# KiCad board px16_regfile.kicad_pcb (continued)
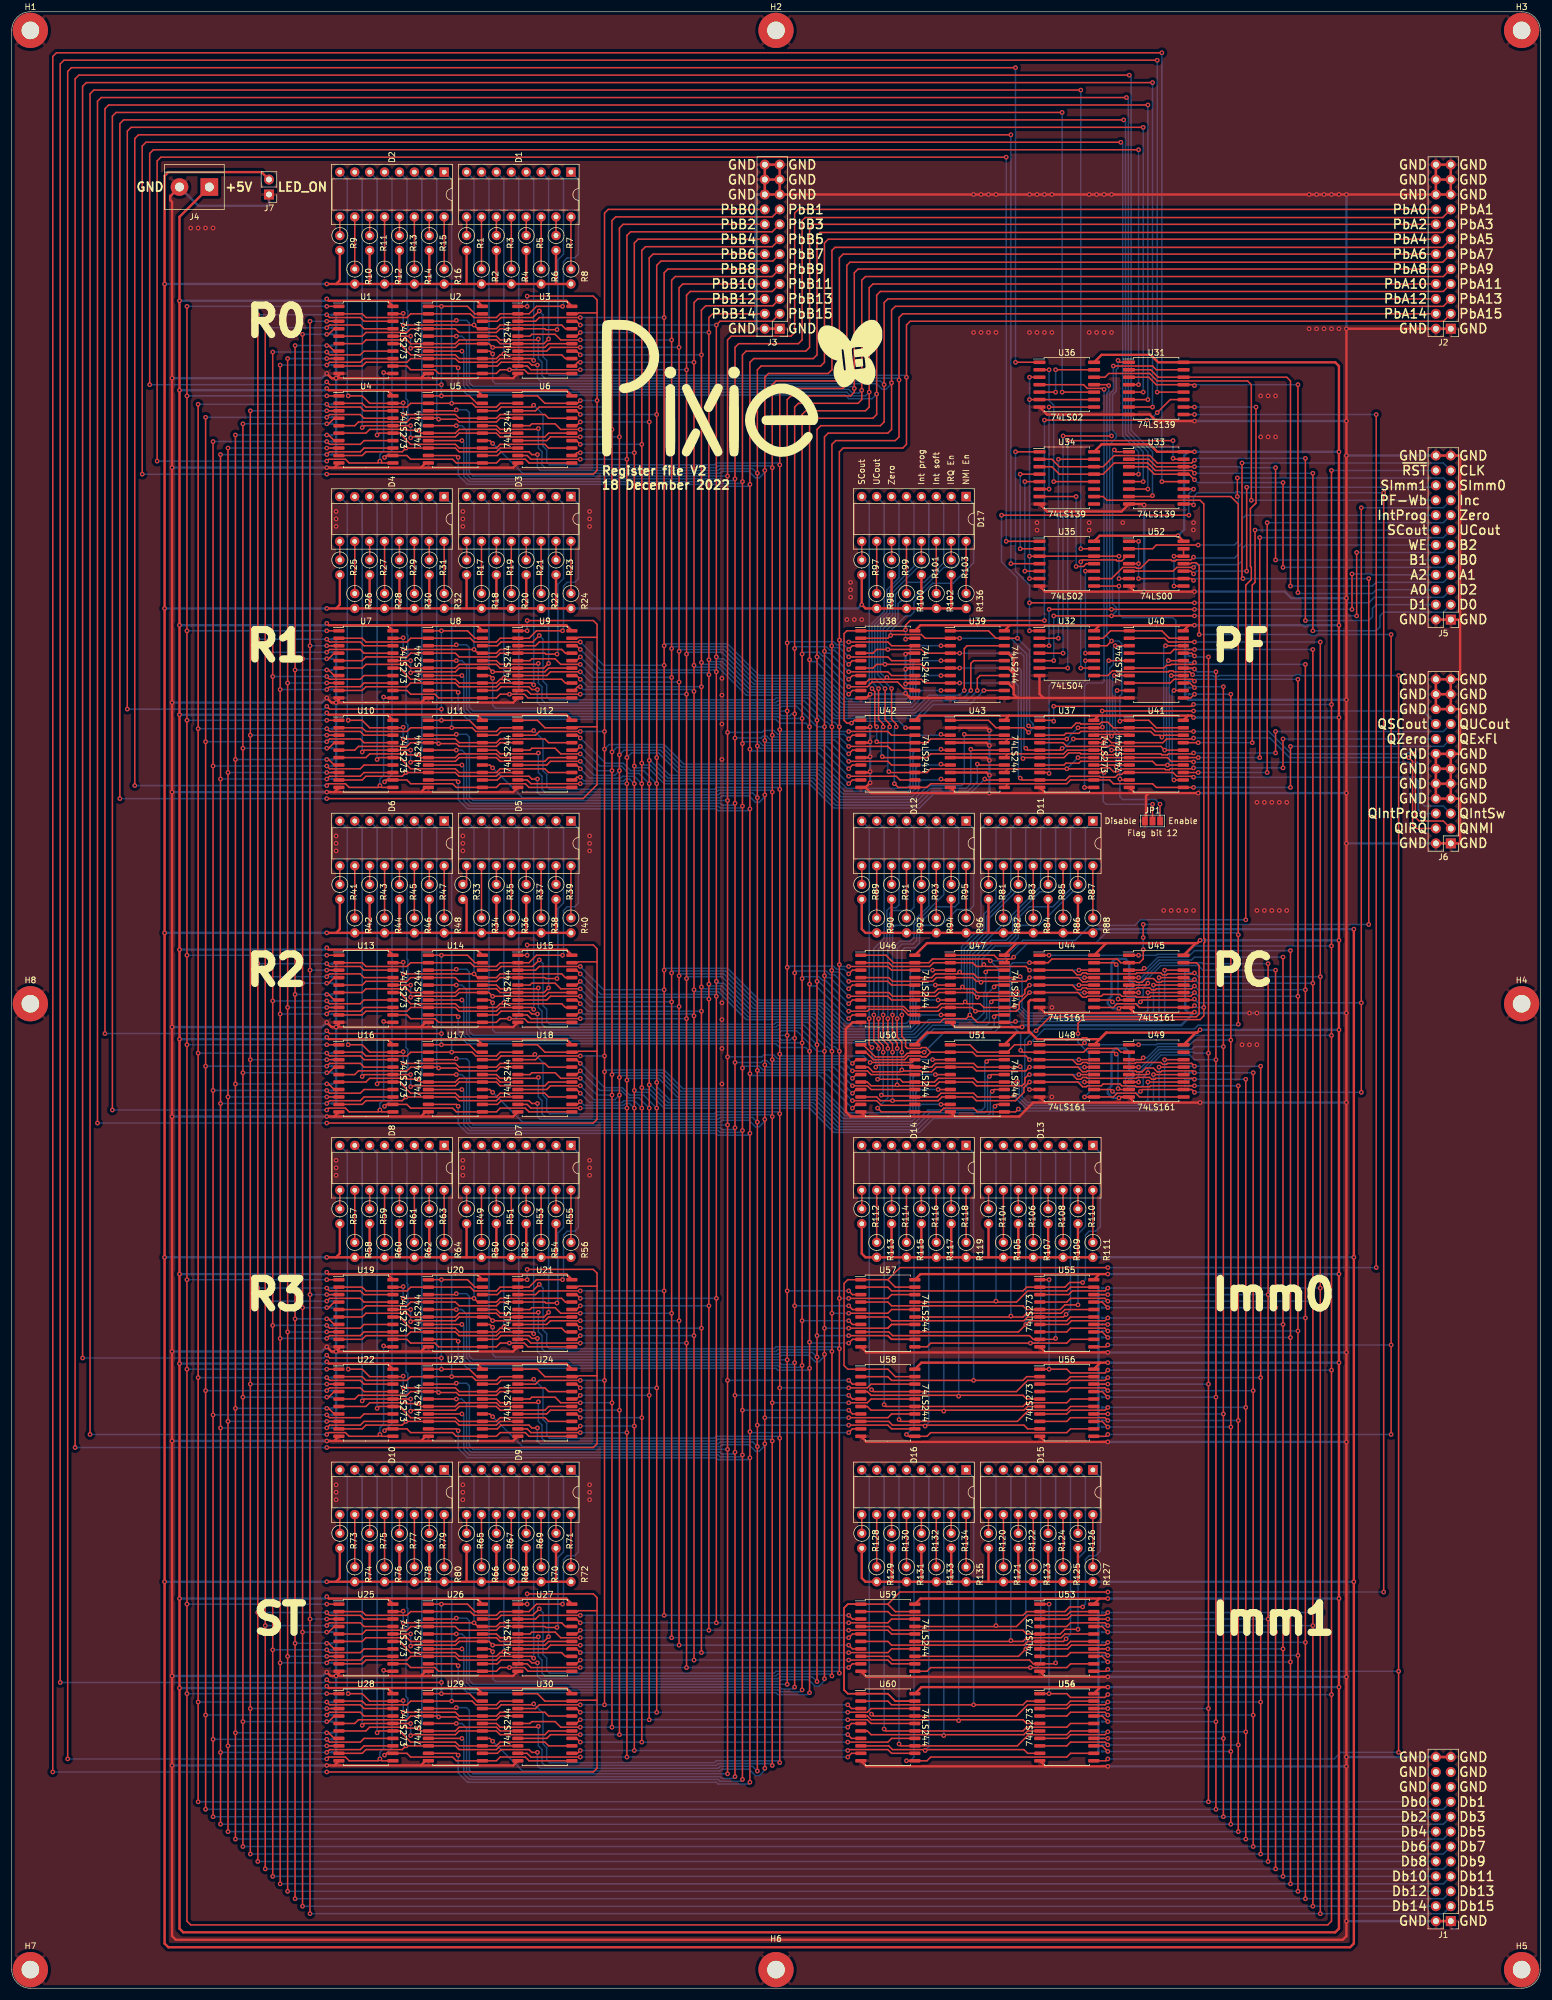
[diagram p0: board, top side]
## Routing (per net, layer and track width the routed paths; a pad name or vN(x,y) marks a point on that pad's centre or on a via; arc(x,y) is an arc through that point) (continued)
/A0: length 88.7
  Top w0.25: v1(201.45,272.89) 201.29,273.05 U31.13 194.94,273.05 193.67,274.32 U31.3 ; v1(219.07,237.65) v1(219.07,273.05)
  Bottom w0.25: v1(219.07,237.65) 219.23,237.49 231.77,237.49 232.41,238.13 J5.6 ; v1(219.07,273.05) 201.61,273.05 v1(201.45,272.89)
/A1: length 91.3
  Top w0.25: v1(217.8,238.76) 217.8,273.69 217.17,274.32 U31.14 195.26,274.32 193.99,275.59 U31.2
  Bottom w0.25: J5.7 243.84,239.4 232.41,239.4 231.77,238.76 v1(217.8,238.76)
/A2: length 125.4
  Top w0.25: v1(188.44,277.18) 188.75,276.86 U31.1 ; v1(228.28,240.82) v1(228.28,234.79) ; v1(201.45,234.79) v1(187.32,234.79) v1(176.69,234.79) ; v1(176.69,228.6) U32.3
  Bottom w0.25: v1(187.32,234.79) 187.01,235.11 187.01,262.89 188.12,264 188.12,264.64 187.48,265.27 187.48,271.3 187.8,271.62 187.8,271.62 188.12,271.94 188.12,275.59 188.44,275.91 v1(188.44,277.18) ; J5.8 231.62,240.67 231.46,240.82 v1(228.28,240.82) ; v1(201.45,234.79) v1(228.28,234.79) ; v1(176.69,234.79) v1(176.69,228.6)
/B0: length 70.9
  Top w0.25: U33.3 193.36,259.08 194.63,257.81 U33.13 200.5,257.81 v1(201.45,256.86) ; v1(216.53,241.94) v1(216.53,256.38)
  Bottom w0.25: v1(216.53,256.38) 201.93,256.38 v1(201.45,256.86) ; v1(216.53,241.94) 243.84,241.94 J5.9
/B1: length 68.6
  Top w0.25: v1(215.26,243.21) v1(215.26,258.92) ; v1(201.45,259.08) U33.14 194.94,259.08 193.67,260.35 U33.2
  Bottom w0.25: J5.10 v1(215.26,243.21) ; v1(201.45,259.08) 209.07,259.08 209.23,258.92 v1(215.26,258.92)
/B2: length 120.6
  Top w0.25: v1(177.48,233.68) v1(187.32,233.68) v1(201.45,233.68) ; v1(177.48,226.06) U32.5 ; v1(187.8,261.94) 188.12,261.62 U33.1 ; v1(229.08,233.68) v1(229.08,244.48)
  Bottom w0.25: v1(187.8,261.94) 187.48,261.62 187.48,235.74 188.12,235.11 188.12,234.47 v1(187.32,233.68) ; v1(229.08,244.48) 243.84,244.48 J5.11 ; v1(177.48,233.68) v1(177.48,226.06) ; v1(201.45,233.68) v1(229.08,233.68)
/CLK: length 266.1
  Top w0.25: v1(171.84,159.7) 172.15,159.39 182.56,159.39 183.2,160.02 188.28,160.02 188.91,159.39 190.29,159.39 ; v1(209.71,240.03) 209.55,240.19 v1(209.55,259.72) ; v1(191.93,242.57) U52.4 ; v1(192.72,176.85) 192.72,175.26 192.09,174.63 U45.2 188.91,174.63 188.28,175.26 177.16,175.26 176.53,174.63 U44.2 v1(173.35,174.63) ; v1(191.93,246.38) U52.1 ; v1(192.72,178.91) v1(192.72,181.14) ; v1(191.93,240.03) U52.9 200.98,240.03 v1(201.29,239.71) ; v1(231.14,181.13) v1(231.14,240.03)
  Bottom w0.25: v1(173.35,174.63) 170.5,174.63 170.02,174.15 170.02,164.31 171.84,162.49 v1(171.84,159.7) ; v1(209.55,259.72) 243.84,259.72 J5.21 ; v1(231.14,181.13) 231.13,181.14 v1(192.72,181.14) ; v1(201.29,239.71) 201.61,240.03 v1(209.71,240.03) v1(231.14,240.03) ; v1(191.93,240.03) v1(191.93,242.57) v1(191.93,246.38) ; v1(192.72,176.85) v1(192.72,178.91)
/D0: length 101.9
  Top w0.25: U34.3 177.16,259.08 178.44,257.81 U34.13 185.9,257.81 187.8,259.72 193.52,259.72 194.79,258.45 200.98,258.45 v1(201.45,257.97) ; v1(221.61,231.14) v1(221.61,257.97)
  Bottom w0.25: v1(221.61,257.97) v1(201.45,257.97) ; J5.3 243.84,234.32 233.68,234.32 233.05,233.68 233.05,231.78 232.41,231.14 v1(221.61,231.14)
/D1: length 99.3
  Top w0.25: v1(201.45,260.19) 200.98,259.72 195.1,259.72 193.83,260.99 187.8,260.99 185.9,259.08 U34.14 178.44,259.08 177.16,260.35 U34.2 ; v1(220.34,232.89) v1(220.34,260.51)
  Bottom w0.25: J5.4 232.41,235.59 231.77,234.95 231.77,233.52 231.14,232.89 v1(220.34,232.89) ; v1(220.34,260.51) 201.77,260.51 v1(201.45,260.19)
/D2: length 109.9
  Top w0.25: v1(170.97,261.62) U34.1 ; v1(173.35,235.9) v1(201.45,235.9) ; U32.1 v1(173.35,231.14)
  Bottom w0.25: v1(201.45,235.9) 231.14,235.9 232.09,236.86 243.84,236.86 J5.5 ; v1(173.35,231.14) v1(173.35,235.9) 173.35,238.92 170.97,241.3 v1(170.97,261.62)
/Db0: length 893.9
  Top w0.25: 55.72,173.36 v1(53.65,173.36) ; U44.3 180.66,173.36 181.45,172.56 182.09,172.56 182.4,172.88 183.04,172.88 183.2,172.72 191.45,172.72 191.61,172.88 195.74,172.88 196.06,172.56 196.69,172.56 196.85,172.72 201.29,172.72 v1(201.45,172.88) ; v1(201.45,229.24) 197.01,229.24 196.37,229.87 U40.2 ; v1(222.88,229.24) v1(222.88,172.24) v1(222.88,119.22) v1(222.88,63.98) v1(222.88,12.7) ; v1(186.69,119.22) 186.21,118.75 180.66,118.75 180.02,118.11 U55.3 ; 55.72,118.11 v1(53.65,118.11) ; v1(186.69,63.98) 186.21,63.5 180.5,63.5 179.86,62.87 175.1,62.87 ; 55.72,228.6 v1(53.65,228.6) ; 55.72,283.85 v1(53.65,283.85) ; 55.72,62.87 v1(53.65,62.87) ; v1(50.8,283.85) v1(50.8,228.6) v1(50.8,173.36) v1(50.8,118.11) v1(50.8,62.87) v1(50.8,12.7)
  Bottom w0.25: v1(53.65,173.36) v1(50.8,173.36) ; v1(50.8,12.7) v1(222.88,12.7) 243.84,12.7 J1.3 ; v1(53.65,118.11) v1(50.8,118.11) ; 54.61,118.11 53.66,118.11 ; v1(222.88,172.24) 202.09,172.24 v1(201.45,172.88) C81.1 ; v1(186.69,63.98) v1(222.88,63.98) ; 54.61,62.87 v1(53.65,62.87) v1(50.8,62.87) ; v1(186.69,119.22) v1(222.88,119.22) ; 54.61,228.6 53.66,228.6 ; v1(222.88,229.24) v1(201.45,229.24) C129.1 ; 185.74,63.98 186.69,63.98 ; 54.61,173.36 53.66,173.36 ; 185.74,119.22 186.69,119.22 ; C1.1 v1(53.65,283.85) v1(50.8,283.85) ; v1(53.65,228.6) v1(50.8,228.6)
/Db1: length 889.6
  Top w0.25: U40.4 197.33,227.33 197.96,227.97 v1(201.45,227.97) ; U53.4 179.7,61.6 180.34,62.23 186.21,62.23 v1(186.69,61.75) ; v1(53.65,60.64) 53.97,60.64 54.92,61.6 55.72,61.6 ; v1(221.61,13.97) v1(221.61,61.75) v1(221.61,117) v1(221.61,171.13) v1(221.61,227.97) ; U55.4 179.7,116.84 180.34,117.48 186.21,117.48 v1(186.69,117) ; v1(49.53,13.97) v1(49.53,60.64) v1(49.53,115.89) v1(49.53,171.13) v1(49.53,226.38) v1(49.53,281.62) ; v1(201.45,171.77) 201.14,171.45 195.9,171.45 195.74,171.29 195.1,171.29 194.47,171.93 193.2,171.93 192.56,171.29 191.61,171.29 191.45,171.45 183.2,171.45 183.11,171.36 182.41,171.36 181.69,172.09 U44.4 ; v1(53.65,226.38) 53.97,226.38 54.92,227.33 55.72,227.33 ; 55.72,172.09 54.92,172.09 53.97,171.13 v1(53.65,171.13) ; 55.72,282.58 54.92,282.58 53.97,281.62 v1(53.65,281.62) ; 55.72,116.84 54.92,116.84 53.97,115.89 v1(53.65,115.89)
  Bottom w0.25: C66.1 v1(53.65,60.64) v1(49.53,60.64) ; 185.74,61.75 186.69,61.75 ; v1(221.61,171.13) 202.09,171.13 v1(201.45,171.77) C82.1 ; J1.4 v1(221.61,13.97) v1(49.53,13.97) ; C18.1 53.66,226.38 ; v1(49.53,281.62) v1(53.65,281.62) C2.1 ; v1(221.61,117) v1(186.69,117) ; v1(53.65,171.13) v1(49.53,171.13) ; v1(221.61,61.75) v1(186.69,61.75) ; C50.1 53.66,115.89 ; 185.74,117 186.69,117 ; C130.1 v1(201.45,227.97) v1(221.61,227.97) ; v1(53.65,115.89) v1(49.53,115.89) ; v1(53.65,226.38) v1(49.53,226.38) ; C34.1 53.66,171.13
/Db2: length 888.4
  Top w0.25: v1(186.69,114.14) 186.21,113.67 180.5,113.67 179.86,113.03 U55.7 ; U40.6 196.22,224.79 196.69,225.27 197.33,225.27 197.48,225.43 201.14,225.43 v1(201.45,225.74) ; 55.72,223.52 54.92,223.52 53.97,224.47 v1(53.65,224.47) ; v1(53.65,169.23) 53.97,169.23 54.92,168.28 55.72,168.28 ; 175.1,57.79 179.86,57.79 180.5,58.42 186.21,58.42 v1(186.69,58.9) ; v1(201.45,170.66) 200.98,170.18 194.94,170.18 194.79,170.02 194.15,170.02 193.83,170.34 191.61,170.34 191.45,170.18 183.2,170.18 183.04,170.34 182.4,170.34 182.09,170.02 181.45,170.02 180.66,170.82 U44.5 ; v1(48.26,279.72) v1(48.26,224.47) v1(48.26,169.23) v1(48.26,113.98) v1(48.26,58.74) v1(48.26,15.24) ; v1(53.65,113.98) 53.97,113.98 54.92,113.03 55.72,113.03 ; v1(53.65,58.74) 53.97,58.74 54.92,57.79 55.72,57.79 ; v1(53.65,279.72) 53.97,279.72 54.92,278.77 55.72,278.77 ; v1(220.34,225.43) v1(220.34,170.02) v1(220.34,114.14) v1(220.34,58.9) v1(220.34,15.24)
  Bottom w0.25: C3.1 v1(53.65,279.72) v1(48.26,279.72) ; v1(186.69,114.14) v1(220.34,114.14) ; 185.74,114.14 186.69,114.14 ; v1(220.34,170.02) 202.09,170.02 v1(201.45,170.66) C83.1 ; v1(48.26,15.24) v1(220.34,15.24) 243.84,15.24 J1.5 ; v1(53.65,113.98) v1(48.26,113.98) ; v1(48.26,58.74) v1(53.65,58.74) 54.61,58.74 ; 53.66,113.98 54.61,113.98 ; 185.73,58.9 186.69,58.9 ; C131.1 v1(201.45,225.74) 201.77,225.43 v1(220.34,225.43) ; v1(53.65,224.47) v1(48.26,224.47) ; v1(186.69,58.9) v1(220.34,58.9) ; 53.66,224.47 54.61,224.47 ; 53.66,169.23 54.61,169.23 ; v1(53.65,169.23) v1(48.26,169.23)
/Db3: length 878.6
  Top w0.25: 55.72,111.76 v1(53.65,111.76) ; v1(201.45,222.57) 201.14,222.89 197.96,222.89 197.33,222.25 U40.8 ; 55.72,277.5 v1(53.65,277.5) ; 55.72,222.25 v1(53.65,222.25) ; v1(186.69,111.92) 186.21,112.4 180.34,112.4 179.7,111.76 U55.8 ; v1(201.45,169.55) 200.82,168.91 193.99,168.91 193.83,168.75 191.61,168.75 191.45,168.91 189.07,168.91 188.75,169.23 185.9,169.23 185.59,168.92 183.21,168.92 183.04,168.75 182.4,168.75 181.61,169.55 U44.6 ; v1(219.07,222.89) v1(219.07,168.91) v1(219.07,111.92) v1(219.07,56.67) v1(219.07,16.51) ; U53.8 179.7,56.52 180.34,57.15 186.21,57.15 v1(186.69,56.67) ; v1(46.99,16.51) v1(46.99,56.52) v1(46.99,111.76) v1(46.99,167.01) v1(46.99,222.25) v1(46.99,277.5) ; 55.72,167.01 v1(53.65,167.01) ; 55.72,56.52 v1(53.65,56.52)
  Bottom w0.25: v1(219.07,222.89) 201.77,222.89 v1(201.45,222.57) C132.1 ; 185.73,56.67 186.69,56.67 ; J1.6 v1(219.07,16.51) v1(46.99,16.51) ; 185.74,111.92 186.69,111.92 ; C84.1 v1(201.45,169.55) 202.09,168.91 v1(219.07,168.91) ; v1(53.65,167.01) v1(46.99,167.01) ; v1(46.99,56.52) v1(53.65,56.52) 54.61,56.52 ; 53.66,167.01 54.61,167.01 ; v1(46.99,277.5) v1(53.65,277.5) C4.1 ; v1(53.65,111.76) v1(46.99,111.76) ; v1(219.07,111.92) v1(186.69,111.92) ; v1(219.07,56.67) v1(186.69,56.67) ; 53.66,111.76 54.61,111.76 ; v1(53.65,222.25) v1(46.99,222.25) ; 53.66,222.25 54.61,222.25
/Db4: length 821.1
  Top w0.25: U55.13 185.74,111.76 v1(186.69,110.81) ; 64.92,167.01 60,167.01 59.37,166.37 54.13,166.37 v1(53.65,165.89) ; v1(45.72,17.78) v1(45.72,55.4) v1(45.72,110.65) v1(45.72,165.89) v1(45.72,221.14) v1(45.72,276.38) ; 64.92,56.52 60,56.52 59.37,55.88 54.13,55.88 v1(53.65,55.4) ; 64.92,111.76 60,111.76 59.37,111.13 54.13,111.13 v1(53.65,110.65) ; U53.13 185.74,56.52 v1(186.69,55.56) ; v1(53.65,221.14) 54.13,221.62 59.37,221.62 60,222.25 64.92,222.25 ; v1(192.88,173.67) 192.56,173.36 U45.3 ; v1(53.65,276.38) 54.13,276.86 59.37,276.86 60,277.5 64.92,277.5 ; v1(217.8,17.78) v1(217.8,55.56) v1(217.8,110.81) v1(217.8,176.69)
  Bottom w0.25: v1(53.65,165.89) v1(45.72,165.89) ; v1(186.69,55.56) v1(217.8,55.56) ; J1.7 243.84,17.78 v1(217.8,17.78) v1(45.72,17.78) ; 54.61,165.89 53.66,165.89 ; v1(53.65,221.14) v1(45.72,221.14) ; 54.61,55.4 v1(53.65,55.4) v1(45.72,55.4) ; C85.1 192.56,173.36 v1(192.88,173.67) 193.36,173.67 195.26,175.58 200.34,175.58 201.45,176.69 v1(217.8,176.69) ; v1(53.65,110.65) v1(45.72,110.65) ; 54.61,110.65 53.66,110.65 ; v1(45.72,276.38) v1(53.65,276.38) C5.1 ; v1(186.69,110.81) v1(217.8,110.81) ; 186.69,55.56 185.73,55.56 ; 54.61,221.14 53.66,221.14 ; 186.69,110.81 185.74,110.81
/Db5: length 818.6
  Top w0.25: v1(216.53,175.58) v1(216.53,113.03) v1(216.53,57.79) v1(216.53,19.05) ; v1(44.45,19.05) v1(44.45,57.63) v1(44.45,112.87) v1(44.45,168.12) v1(44.45,223.36) v1(44.45,278.61) ; v1(53.65,112.87) 54.13,112.4 59.37,112.4 60,113.03 64.92,113.03 ; 64.92,168.28 60,168.28 59.37,167.64 54.13,167.64 v1(53.65,168.12) ; v1(53.65,57.63) 54.13,57.15 59.37,57.15 60,57.79 64.92,57.79 ; 64.92,278.77 60,278.77 59.37,278.13 54.13,278.13 v1(53.65,278.61) ; 64.92,223.52 60,223.52 59.37,222.89 54.13,222.89 v1(53.65,223.36) ; U45.4 v1(191.93,172.09) ; 184.3,57.79 v1(186.69,57.79) ; U55.14 v1(186.69,113.03)
  Bottom w0.25: v1(44.45,278.61) v1(53.65,278.61) C6.1 ; 186.69,113.03 185.74,113.03 ; v1(216.53,57.79) v1(186.69,57.79) ; v1(53.65,112.87) v1(44.45,112.87) ; 54.61,223.36 53.66,223.36 ; 54.61,168.12 53.66,168.12 ; 54.61,112.87 53.66,112.87 ; C86.1 v1(191.93,172.09) 192.41,172.09 195.42,175.1 200.98,175.1 201.45,175.58 v1(216.53,175.58) ; 54.61,57.63 v1(53.65,57.63) v1(44.45,57.63) ; v1(53.65,223.36) v1(44.45,223.36) ; J1.8 v1(216.53,19.05) v1(44.45,19.05) ; v1(216.53,113.03) v1(186.69,113.03) ; v1(53.65,168.12) v1(44.45,168.12) ; 186.69,57.79 185.73,57.79
/Db6: length 833.1
  Top w0.25: v1(53.65,227.49) 54.13,227.97 59.37,227.97 60,227.33 64.92,227.33 ; v1(215.26,173.36) v1(215.26,115.89) v1(215.26,60.64) v1(215.26,20.32) ; v1(43.18,282.73) v1(43.18,227.49) v1(43.18,172.24) v1(43.18,117) v1(43.18,61.75) v1(43.18,20.32) ; 64.92,116.84 60,116.84 59.37,117.48 54.13,117.48 v1(53.65,117) ; U45.5 193.2,170.82 v1(193.52,171.13) ; 64.92,172.09 60,172.09 59.37,172.72 54.13,172.72 v1(53.65,172.24) ; U55.17 185.74,116.84 v1(186.69,115.89) ; U53.17 185.74,61.6 v1(186.69,60.64) ; v1(53.65,282.73) 54.13,283.21 59.37,283.21 60,282.58 64.92,282.58 ; v1(53.65,61.75) 54.13,62.23 59.37,62.23 60,61.6 64.92,61.6
  Bottom w0.25: v1(215.26,115.89) v1(186.69,115.89) ; 53.66,227.49 54.61,227.49 ; v1(43.18,282.73) v1(53.65,282.73) C7.1 ; v1(53.65,117) v1(43.18,117) ; v1(43.18,61.75) v1(53.65,61.75) 54.61,61.75 ; J1.9 243.84,20.32 v1(215.26,20.32) v1(43.18,20.32) ; 190.34,170.82 189.71,170.18 189.71,169.07 190.02,168.75 192.41,168.75 192.72,169.07 192.72,170.34 v1(193.52,171.13) 193.52,171.93 195.74,174.15 202.09,174.15 202.88,173.36 v1(215.26,173.36) ; v1(53.65,227.49) v1(43.18,227.49) ; 186.69,60.64 185.74,60.64 ; v1(53.65,172.24) v1(43.18,172.24) ; 186.69,115.89 185.74,115.89 ; v1(215.26,60.64) v1(186.69,60.64) ; 53.66,172.24 54.61,172.24 ; 53.66,117 54.61,117
/Db7: length 828
  Top w0.25: v1(41.91,21.59) v1(41.91,63.98) v1(41.91,119.22) v1(41.91,174.47) v1(41.91,229.71) v1(41.91,284.96) ; v1(53.65,63.98) 54.13,63.5 59.37,63.5 60,62.87 64.92,62.87 ; v1(214,174.47) v1(214,118.11) v1(214,62.87) v1(214,21.59) ; v1(53.65,119.22) 54.13,118.75 59.37,118.75 60,118.11 64.92,118.11 ; v1(53.65,229.71) 54.13,229.24 59.37,229.24 60,228.6 64.92,228.6 ; v1(53.65,174.47) 54.13,173.99 59.37,173.99 60,173.36 64.92,173.36 ; v1(53.65,284.96) 54.13,284.48 59.37,284.48 60,283.85 64.92,283.85 ; U45.6 v1(191.93,169.55) ; U55.18 v1(186.69,118.11) ; 184.3,62.87 v1(186.69,62.87)
  Bottom w0.25: v1(41.91,63.98) v1(53.65,63.98) 54.61,63.98 ; v1(53.65,119.22) v1(41.91,119.22) ; v1(214,62.87) v1(186.69,62.87) ; v1(53.65,229.71) v1(41.91,229.71) ; 53.66,174.47 54.61,174.47 ; C8.1 v1(53.65,284.96) v1(41.91,284.96) ; 186.69,118.11 185.74,118.11 ; 186.69,62.87 185.74,62.87 ; J1.10 v1(214,21.59) v1(41.91,21.59) ; 53.66,229.71 54.61,229.71 ; C88.1 v1(191.93,169.55) 191.93,170.97 195.58,174.63 202.72,174.63 202.88,174.47 v1(214,174.47) ; 53.66,119.22 54.61,119.22 ; v1(214,118.11) v1(186.69,118.11) ; v1(53.65,174.47) v1(41.91,174.47)
/Db8: length 782.7
  Top w0.25: U22.3 v1(53.66,102.87) ; U16.3 v1(53.66,158.12) ; v1(186.69,103.98) 186.21,103.51 180.34,103.51 179.7,102.87 U56.3 ; U10.3 v1(53.66,213.36) ; v1(212.72,22.86) v1(212.72,48.74) v1(212.72,103.98) v1(212.72,157) ; 55.73,47.62 v1(53.66,47.62) ; v1(186.69,48.74) 186.21,48.26 180.34,48.26 179.7,47.62 175.1,47.62 ; U4.3 v1(53.66,268.61) ; U48.3 180.66,158.12 181.45,157.32 182.09,157.32 182.4,157.64 183.13,157.64 183.29,157.48 191.36,157.48 191.52,157.64 195.74,157.64 196.06,157.32 196.69,157.32 196.85,157.48 200.98,157.48 v1(201.45,157) ; v1(40.64,22.86) v1(40.64,47.62) v1(40.64,102.87) v1(40.64,158.12) v1(40.64,213.36) v1(40.64,268.61)
  Bottom w0.25: v1(40.64,22.86) v1(212.72,22.86) 243.84,22.86 J1.11 ; v1(212.72,103.98) v1(186.69,103.98) ; C89.1 v1(201.45,157) v1(212.72,157) ; 185.73,48.74 v1(186.69,48.74) v1(212.72,48.74) ; 54.61,47.62 v1(53.66,47.62) v1(40.64,47.62) ; v1(40.64,268.61) v1(53.66,268.61) C9.1 ; v1(53.66,102.87) v1(40.64,102.87) ; v1(53.66,158.12) v1(40.64,158.12) ; 185.74,103.98 186.69,103.98 ; 54.61,102.87 53.66,102.87 ; v1(53.66,213.36) v1(40.64,213.36) ; 54.61,158.12 53.66,158.12 ; 54.61,213.36 53.66,213.36
/Db9: length 779.8
  Top w0.25: v1(53.66,100.65) 53.98,100.65 54.93,101.6 U22.4 ; v1(53.66,45.4) 53.98,45.4 54.93,46.36 U28.4 ; v1(53.66,155.89) 53.98,155.89 54.93,156.85 U16.4 ; v1(201.45,155.89) 201.14,156.21 195.9,156.21 195.74,156.05 195.1,156.05 194.47,156.69 193.2,156.69 192.56,156.05 191.61,156.05 191.45,156.21 183.2,156.21 183.04,156.05 182.4,156.05 181.61,156.85 U48.4 ; v1(186.69,101.76) 186.21,102.24 180.34,102.24 179.7,101.6 U56.4 ; U10.4 54.93,212.09 53.98,211.14 v1(53.66,211.14) ; v1(53.66,266.38) 53.98,266.38 54.93,267.34 U4.4 ; v1(39.37,266.38) v1(39.37,211.14) v1(39.37,155.89) v1(39.37,100.65) v1(39.37,45.4) v1(39.37,24.13) ; v1(211.45,24.13) v1(211.45,46.51) v1(211.45,101.76) v1(211.45,155.89) ; v1(186.69,46.51) 186.21,46.99 180.34,46.99 179.7,46.36 U54.4
  Bottom w0.25: J1.12 v1(211.45,24.13) v1(39.37,24.13) ; 54.61,211.14 53.66,211.14 ; v1(53.66,155.89) v1(39.37,155.89) ; v1(211.45,101.76) v1(186.69,101.76) ; C10.1 v1(53.66,266.38) v1(39.37,266.38) ; v1(211.45,46.51) v1(186.69,46.51) 185.73,46.51 ; v1(53.66,211.14) v1(39.37,211.14) ; v1(39.37,45.4) v1(53.66,45.4) 54.61,45.4 ; v1(53.66,100.65) v1(39.37,100.65) ; 54.61,155.89 53.66,155.89 ; v1(211.45,155.89) v1(201.45,155.89) C90.1 ; 54.61,100.65 53.66,100.65 ; 185.74,101.76 186.69,101.76
/Db10: length 780.8
  Top w0.25: v1(186.69,43.66) 186.21,43.18 180.34,43.18 179.7,42.55 175.1,42.55 ; v1(53.66,153.99) 53.98,153.99 54.93,153.04 U16.7 ; 55.73,42.55 54.93,42.55 53.98,43.5 v1(53.66,43.5) ; v1(53.66,264.48) 53.98,264.48 54.93,263.53 U4.7 ; v1(186.69,98.9) 186.21,98.43 180.34,98.43 179.7,97.79 U56.7 ; U10.7 54.93,208.28 53.98,209.23 v1(53.66,209.23) ; v1(53.66,98.74) 53.98,98.74 54.93,97.79 U22.7 ; v1(201.45,154.78) 201.29,154.94 194.86,154.94 194.7,154.78 194.15,154.78 193.83,155.1 191.7,155.1 191.54,154.94 183.2,154.94 183.04,155.1 182.4,155.1 182.09,154.78 181.45,154.78 180.66,155.58 U48.5 ; v1(38.1,25.4) v1(38.1,43.5) v1(38.1,98.74) v1(38.1,153.99) v1(38.1,209.23) v1(38.1,264.48) ; v1(210.19,154.78) v1(210.19,98.9) v1(210.19,43.66) v1(210.19,25.4)
  Bottom w0.25: 53.66,98.74 54.61,98.74 ; C91.1 v1(201.45,154.78) v1(210.19,154.78) ; v1(38.1,25.4) v1(210.19,25.4) 243.84,25.4 J1.13 ; v1(53.66,98.74) v1(38.1,98.74) ; 54.61,43.5 v1(53.66,43.5) v1(38.1,43.5) ; v1(210.19,43.66) v1(186.69,43.66) 185.74,43.66 ; v1(38.1,264.48) v1(53.66,264.48) C11.1 ; v1(53.66,153.99) v1(38.1,153.99) ; 53.66,153.99 54.61,153.99 ; 53.66,209.23 54.61,209.23 ; v1(186.69,98.9) v1(210.19,98.9) ; v1(53.66,209.23) v1(38.1,209.23) ; 185.74,98.9 186.69,98.9
/Db11: length 773.6
  Top w0.25: U56.8 179.7,96.52 180.34,97.16 186.21,97.16 v1(186.69,96.68) ; v1(208.91,153.67) v1(208.91,96.68) v1(208.91,41.43) v1(208.91,26.67) ; v1(36.83,262.25) v1(36.83,207.01) v1(36.83,151.77) v1(36.83,96.52) v1(36.83,41.28) v1(36.83,26.67) ; U28.8 v1(53.66,41.28) ; U10.8 v1(53.66,207.01) ; U54.8 179.7,41.28 180.34,41.91 186.21,41.91 v1(186.69,41.43) ; U22.8 v1(53.66,96.52) ; v1(201.45,153.67) 193.99,153.67 193.83,153.51 191.54,153.51 191.38,153.67 189.07,153.67 188.75,153.99 185.9,153.99 185.58,153.67 183.2,153.67 183.04,153.51 182.4,153.51 181.61,154.31 U48.6 ; U16.8 v1(53.66,151.77) ; U4.8 v1(53.66,262.25)
  Bottom w0.25: 53.66,96.52 54.61,96.52 ; v1(53.66,96.52) v1(36.83,96.52) ; v1(208.91,41.43) v1(186.69,41.43) 185.73,41.43 ; C12.1 v1(53.66,262.25) v1(36.83,262.25) ; v1(53.66,207.01) v1(36.83,207.01) ; v1(208.91,96.68) v1(186.69,96.68) ; 54.61,41.28 v1(53.66,41.28) v1(36.83,41.28) ; J1.14 v1(208.91,26.67) v1(36.83,26.67) ; 53.66,207.01 54.61,207.01 ; C92.1 v1(201.45,153.67) v1(208.91,153.67) ; 185.74,96.68 186.69,96.68 ; 53.66,151.77 54.61,151.77 ; v1(53.66,151.77) v1(36.83,151.77)
/Db12: length 868.9
  Top w0.25: v1(53.66,95.41) 54.13,95.89 59.37,95.89 60.01,96.52 U22.13 ; v1(207.64,27.94) v1(207.64,40.32) v1(207.64,95.57) v1(207.64,161.45) v1(207.64,220.35) ; v1(53.66,261.14) 54.13,261.62 59.37,261.62 60.01,262.25 U4.13 ; v1(186.69,95.57) 185.74,96.52 U56.13 ; v1(35.56,261.14) v1(35.56,205.9) v1(35.56,150.65) v1(35.56,95.41) v1(35.56,40.16) v1(35.56,27.94) ; U16.13 60.01,151.77 59.37,151.13 54.13,151.13 v1(53.66,150.65) ; U54.13 185.74,41.28 v1(186.69,40.32) ; v1(192.72,158.43) 192.41,158.12 U49.3 ; v1(53.66,40.16) 54.13,40.64 59.37,40.64 60.01,41.28 U28.13 ; U40.11 200.82,219.71 v1(201.45,220.35) ; v1(53.66,205.9) 54.13,206.38 59.37,206.38 60.01,207.01 U10.13
  Bottom w0.25: 54.61,40.16 v1(53.66,40.16) v1(35.56,40.16) ; v1(207.64,95.57) v1(186.69,95.57) ; v1(35.56,150.65) v1(53.66,150.65) ; J1.15 243.84,27.94 v1(207.64,27.94) v1(35.56,27.94) ; v1(207.64,40.32) v1(186.69,40.32) 185.73,40.32 ; v1(35.56,261.14) v1(53.66,261.14) C13.1 ; C93.1 192.41,158.12 v1(192.72,158.43) 193.36,158.43 195.26,160.34 200.34,160.34 201.45,161.45 v1(207.64,161.45) ; v1(35.56,95.41) v1(53.66,95.41) ; C133.1 v1(201.45,220.35) v1(207.64,220.35) ; 54.61,150.65 53.66,150.65 ; 54.61,205.9 53.66,205.9 ; v1(35.56,205.9) v1(53.66,205.9) ; 54.61,95.41 53.66,95.41 ; 186.69,95.57 185.74,95.57
/Db13: length 867.8
  Top w0.25: U16.14 60.01,153.04 59.37,152.4 54.13,152.4 v1(53.66,152.88) ; U49.4 v1(191.93,156.85) ; U40.13 200.66,222.25 v1(201.45,221.46) ; v1(206.38,29.21) v1(206.38,42.55) v1(206.38,97.79) v1(206.38,160.34) v1(206.38,221.62) ; v1(53.66,208.12) 54.13,207.65 59.37,207.65 60.01,208.28 U10.14 ; U22.14 60.01,97.79 59.37,97.16 54.13,97.16 v1(53.66,97.63) ; v1(53.66,42.39) 54.13,41.91 59.37,41.91 60.01,42.55 64.93,42.55 ; v1(53.66,263.37) 54.13,262.89 59.37,262.89 60.01,263.53 U4.14 ; v1(34.29,263.37) v1(34.29,208.12) v1(34.29,152.88) v1(34.29,97.63) v1(34.29,42.39) v1(34.29,29.21) ; 184.3,42.55 v1(186.69,42.55) ; U56.14 v1(186.69,97.79)
  Bottom w0.25: v1(34.29,42.39) v1(53.66,42.39) 54.61,42.39 ; 54.61,152.88 53.66,152.88 ; 54.61,208.12 53.66,208.12 ; v1(206.38,221.62) 201.61,221.62 v1(201.45,221.46) C134.1 ; v1(34.29,263.37) v1(53.66,263.37) C14.1 ; J1.16 v1(206.38,29.21) v1(34.29,29.21) ; 186.69,97.79 185.74,97.79 ; v1(206.38,160.34) 201.45,160.34 200.98,159.86 195.42,159.86 192.4,156.85 v1(191.93,156.85) C94.1 ; 185.73,42.55 v1(186.69,42.55) v1(206.38,42.55) ; 54.61,97.63 53.66,97.63 ; v1(34.29,152.88) v1(53.66,152.88) ; v1(34.29,208.12) v1(53.66,208.12) ; v1(206.38,97.79) v1(186.69,97.79) ; v1(34.29,97.63) v1(53.66,97.63)
/Db14: length 885.6
  Top w0.25: U22.17 60.01,101.6 59.37,102.24 54.13,102.24 v1(53.66,101.76) ; v1(205.1,30.48) v1(205.1,45.4) v1(205.1,100.65) v1(205.1,158.12) v1(205.1,224.16) ; v1(193.52,155.89) 193.2,155.58 U49.5 ; U28.17 60.01,46.36 59.37,46.99 54.13,46.99 v1(53.66,46.51) ; U56.17 185.74,101.6 v1(186.69,100.65) ; v1(53.66,212.25) 54.13,212.73 59.37,212.73 60.01,212.09 U10.17 ; v1(53.66,157) 54.13,157.48 59.37,157.48 60.01,156.85 U16.17 ; v1(201.45,224.63) 201.29,224.79 U40.15 ; v1(53.66,267.49) 54.13,267.97 59.37,267.97 60.01,267.34 U4.17 ; v1(186.69,45.4) 185.74,46.36 U54.17 ; v1(33.02,267.49) v1(33.02,212.25) v1(33.02,157) v1(33.02,101.76) v1(33.02,46.51) v1(33.02,30.48)
  Bottom w0.25: 185.73,45.4 v1(186.69,45.4) v1(205.1,45.4) ; C15.1 v1(53.66,267.49) v1(33.02,267.49) ; v1(33.02,157) v1(53.66,157) ; v1(205.1,100.65) v1(186.69,100.65) ; 53.66,212.25 54.61,212.25 ; 186.69,100.65 185.74,100.65 ; v1(33.02,46.51) v1(53.66,46.51) 54.61,46.51 ; C135.1 v1(201.45,224.63) 201.93,224.16 v1(205.1,224.16) ; 53.66,101.76 54.61,101.76 ; C95.1 189.71,154.94 189.71,153.83 190.02,153.51 192.41,153.51 192.72,153.83 192.72,155.1 v1(193.52,155.89) 193.52,156.69 195.74,158.91 200.66,158.91 201.45,158.12 v1(205.1,158.12) ; v1(33.02,212.25) v1(53.66,212.25) ; 53.66,157 54.61,157 ; v1(33.02,30.48) v1(205.1,30.48) 243.84,30.48 J1.17 ; v1(33.02,101.76) v1(53.66,101.76)
/Db15: length 880.6
  Top w0.25: v1(53.66,48.74) 54.13,48.26 59.37,48.26 60.01,47.62 64.93,47.62 ; v1(53.66,103.98) 54.13,103.51 59.37,103.51 60.01,102.87 U22.18 ; U10.18 60.01,213.36 59.37,214 54.13,214 v1(53.66,214.47) ; v1(53.66,159.23) 54.13,158.75 59.37,158.75 60.01,158.12 U16.18 ; 184.3,47.62 v1(186.69,47.62) ; U40.17 200.98,227.33 v1(201.45,226.85) ; v1(203.83,31.75) v1(203.83,47.62) v1(203.83,102.87) v1(203.83,159.23) v1(203.83,226.7) ; v1(53.66,269.72) 54.13,269.24 59.37,269.24 60.01,268.61 U4.18 ; v1(31.75,31.75) v1(31.75,48.74) v1(31.75,103.98) v1(31.75,159.23) v1(31.75,214.47) v1(31.75,269.72) ; U49.6 v1(191.93,154.31) ; U56.18 v1(186.69,102.87)
  Bottom w0.25: 54.61,48.74 v1(53.66,48.74) v1(31.75,48.74) ; 53.66,159.23 54.61,159.23 ; 185.73,47.62 v1(186.69,47.62) v1(203.83,47.62) ; 53.66,103.98 54.61,103.98 ; 53.66,214.47 54.61,214.47 ; v1(203.83,226.7) 201.61,226.7 v1(201.45,226.85) C136.1 ; 186.69,102.87 185.74,102.87 ; v1(31.75,214.47) v1(53.66,214.47) ; v1(31.75,269.72) v1(53.66,269.72) C16.1 ; v1(31.75,159.23) v1(53.66,159.23) ; J1.18 v1(203.83,31.75) v1(31.75,31.75) ; v1(203.83,159.23) 201.45,159.23 201.29,159.39 195.58,159.39 191.93,155.73 v1(191.93,154.31) C96.1 ; v1(31.75,103.98) v1(53.66,103.98) ; v1(186.69,102.87) v1(203.83,102.87)
/DExFl: length 32.6
  Top w0.25: v1(195.58,201.61) 195.58,198.79 195.61,198.76 ; v1(188.75,205.9) 188.91,205.74 U41.9 ; U40.9 v1(188.28,220.98)
  Bottom w0.25: v1(195.58,201.61) 194.79,202.41 189.23,202.41 188.75,202.88 v1(188.75,205.9) 188.75,207.49 188.91,207.65 188.91,208.28 188.59,208.6 188.59,213.84 187.96,214.47 187.96,220.66 v1(188.28,220.98)
/DIntProg: length 49.9
  Top w0.25: v1(197.96,205.74) U41.12 ; v1(188.59,238.76) U35.8 ; U40.12 v1(197.96,220.98)
  Bottom w0.25: v1(197.96,205.74) 197.64,206.06 197.64,220.66 v1(197.96,220.98) 198.28,221.3 198.28,232.89 197.8,233.36 189.23,233.36 188.59,234 v1(188.59,238.76)
/DIntSw: length 42.5
  Top w0.25: U40.14 v1(197.48,223.52) ; U37.7 179.23,208.28 179.55,208.6 181.77,208.6 182.09,208.92 194.31,208.92 194.94,208.28 v1(196.85,208.28) U41.14
  Bottom w0.25: v1(197.48,223.52) 197.17,223.2 197.17,208.6 v1(196.85,208.28)
/DIRQ: length 43.1
  Top w0.25: U41.16 v1(196.37,210.82) 195.74,211.46 187.8,211.46 187.64,211.61 187.01,211.61 186.85,211.46 179.7,211.46 179.07,212.09 U37.4 ; U40.16 v1(197.01,226.06)